# Altium PCB MB1801.PcbDoc (part 1 of 4) (continued)
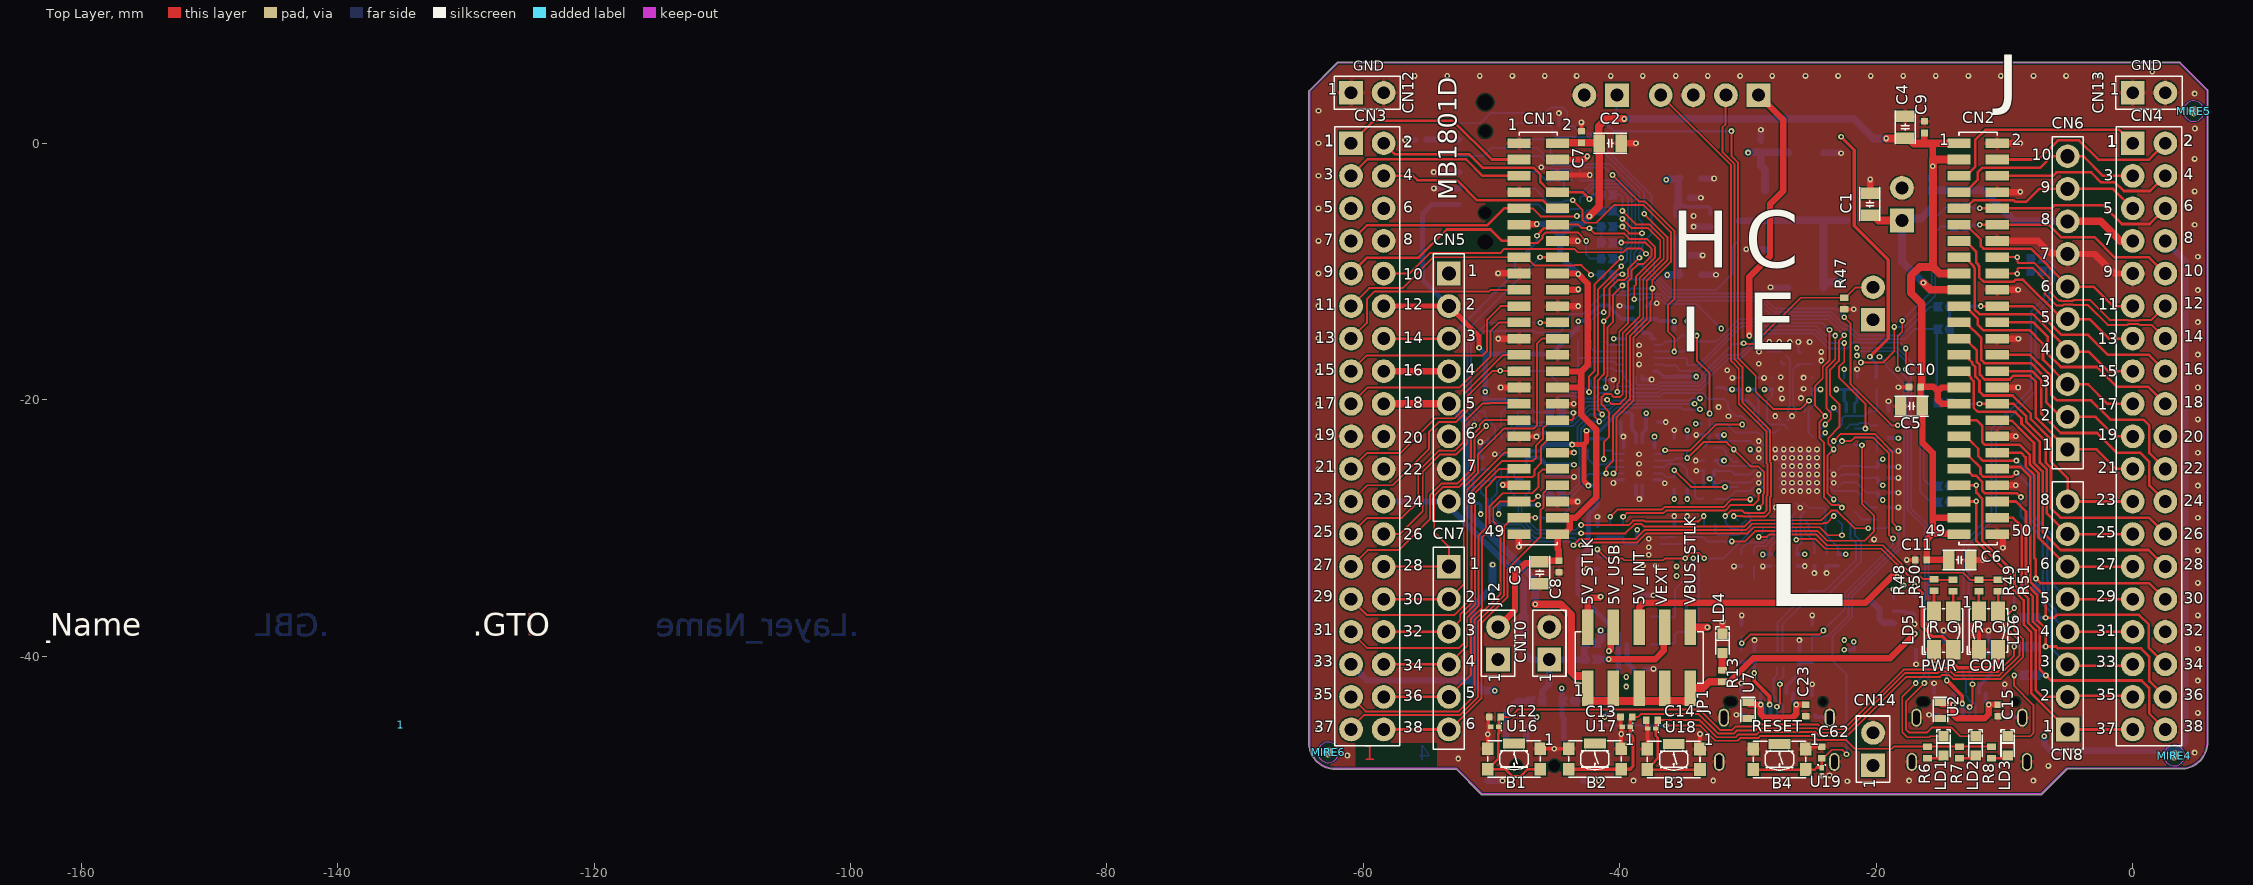
[diagram p0: Top Layer view]
## Classes and differential pairs
component class U_External_Debug_Interface: CN17 LD5 LD6 R48 R49 R50 R51 R54 U13 U14
component class Project_Overview: HW1 HW2
component class U_STlink-V3EC: C23 C24 C25 C26 C27 C28 C29 C30 C31 C32 C33 C34 C35 C36 C37 C38 C39 C40 C41 C42 C43 C44 C45 C46 C47 C48 C49 C50 C51 C52 C53 C54 C55 C56 C57 C58 C59 C60 C61 CN15 CN16 D1 JP3 JP4 R2 R14 R15 R16 R17 R18 R19 R20 R21 R22 R23 R24 R25 R26 R27 R28 R29 R30 R31 R32 R33 R34 R35 R36 R37 R38 R39 R40 R41 R42 R43 R44 R45 R46 R47 R52 R53 R55 R56 R57 R58 R59 R60 R61 R62 R63 R64 R65 R66 R67 TP1 U5 U6 U7 U8 U9 U10 U11 U12 U15 X1
component class "Power Management": C16 C17 C18 C19 C20 C21 C22 CN10 CN12 CN13 JP1 JP2 LD4 R13 SB20 SB21 SB22 SB33 SW1 U3 U4
component class "LEDs & Push Buttons & USB-C Connector": B1 B2 B3 B4 C12 C13 C14 C15 C62 CN9 LD1 LD2 LD3 R6 R7 R8 R11 R12 SB18 SB19 U1 U2 U16 U17 U18 U19
component class "Extension Connectors": C1 C2 C3 C4 C5 C6 C7 C8 C9 C10 C11 CN1 CN2 CN3 CN4 CN5 CN6 CN7 CN8 CN11 CN14 R1 SB1 SB2 SB3 SB4 SB5 SB6 SB7 SB8 SB9 SB10 SB11 SB12 SB13 SB14 SB15 SB16 SB17 SB23 SB24 SB25 SB26 SB27 SB28 SB29 SB30
differential pair USB_FS: +USB_FS_P -USB_FS_N
differential pair STLK_USB: +STLK_USB_P -STLK_USB_N
differential pair USB: +USB_P -USB_N
differential pair USB_C: +USB_C_P -USB_C_N

## Components (designator, comment, footprint, x,y, rotation, side; value= is the part's Value field where it differs from the comment)
1 "Comment" Sheetbox_2L2S -180.167,-50.702 r0 top
B1 "SW-PUSH-CMS_KMR2_BLACK" SWI_C&K_Y78B23110FP__ITT_KMR231GLFS -48.25,-48.022 r0 top value=KMR231GLFS
B2 "SW-PUSH-CMS_KMR2_BLACK" SWI_C&K_Y78B23110FP__ITT_KMR231GLFS -41.95,-48.022 r0 top value=KMR231GLFS
B3 "SW-PUSH-CMS_KMR2_BLACK" SWI_C&K_Y78B23110FP__ITT_KMR231GLFS -35.8,-48.05 r0 top value=KMR231GLFS
B4 "SW-PUSH-CMS_KMR2_BLACK" SWI_C&K_Y78B23110FP__ITT_KMR231GLFS -27.55,-48.05 r0 top value=KMR231GLFS
C1 "Capacitor" C0805_H0P85 -20.5,-4.75 r270 top value=1uF
C2 "Capacitor" C0805_H0P85 -40.75,0 r180 top value=1uF
C3 "Capacitor" C0805_H0P85 -46.25,-33.5 r90 top value=1uF
C4 "Capacitor" C0805_H0P85 -17.75,1.25 r270 top value=1uF
C5 "Capacitor" C0805_H0P85 -17.25,-20.5 r0 top value=1uF
C6 "Capacitor" C0805_H0P85 -13.5,-32.5 r180 top value=1uF
C7 "Capacitor" C0402 -43,0.5 r270 top value=100nF
C8 "Capacitor" C0402 -44.75,-33 r90 top value=100nF
C9 "Capacitor" C0402 -16.25,1.25 r270 top value=100nF
C10 "Capacitor" C0402 -17,-19 r0 top value=100nF
C11 "Capacitor" C0402 -16.5,-32.5 r0 top value=100nF
C12 "Capacitor" C0402 -49.75,-44.75 r0 top value=10nF
C13 "Capacitor" C0402 -39.5,-44.75 r0 top value=10nF
C14 "Capacitor" C0402 -37.5,-45 r0 top value=10nF
C15 "Capacitor" C0402 -10.5,-44.25 r90 top value=100pF
C16 "Cap_POL_TANA" CPOL_TAJ-B_1210_H210 -25.5,-0.75 r0 bottom value=10uF
C17 "Cap_POL_TANA" CPOL_TAJ-B_1210_H210 -25.5,-11.25 r180 bottom value=10uF
C18 "Capacitor" C0402 -29,-0.25 r270 bottom value=100nF
C19 "Capacitor" C0805_H0P85 -34.5,-2.75 r180 bottom value=1uF
C20 "Capacitor" C0402 -35,-4.25 r180 bottom value=100nF
C21 "Capacitor" C0805_H0P85 -34.5,-10.25 r180 bottom value=1uF
C22 "Capacitor" C0402 -35,-8.75 r180 bottom value=100nF
C23 "Capacitor" C0402 -25.5,-44.25 r270 top value=100pF
C24 "Capacitor" C0402 -37.5,-21.75 r180 bottom value=100nF
C25 "Capacitor" C0402 -39.5,-21.75 r180 bottom value=100nF
C26 "Capacitor" C0402 -25,-38 r90 bottom value=10nF
C27 "Capacitor" C0402 -30.5,-38 r90 bottom value=10nF
C28 "Capacitor" C0402 -28.5,-16.75 r90 bottom value=2.7pF
C29 "Capacitor" C0402 -25,-16.75 r90 bottom value=2.7pF
C30 "Capacitor" C0402 -38,-13.25 r270 bottom value=100nF
C31 "Capacitor" C0402 -39,-13.25 r90 bottom value=100nF
C32 "Capacitor" C0402 -41.5,1.5 r0 bottom value=100nF
C33 "Capacitor" C0402 -23.875,-32.5 r90 bottom value=2.2uF
C34 "Capacitor" C0603 -39,-33.75 r180 bottom value=10uF
C35 "Capacitor" C0402 -36.75,-33.75 r0 bottom value=100nF
C36 "Capacitor" C0402 -35.75,-30.25 r270 bottom value=10nF
C37 "Capacitor" C0402 -26.2,-32.5 r270 bottom value=100nF
C38 "Capacitor" C0402 -23,-32.5 r270 bottom value=100nF
C39 "Capacitor" C0402 -27,-32.5 r270 bottom value=100nF
C40 "Capacitor" C0402 -28.25,-32.5 r270 bottom value=100nF
C41 "Capacitor" C0402 -19.5,-27.25 r0 bottom value=100nF
C42 "Capacitor" C0402 -19.5,-26.1 r0 bottom value=100nF
C43 "Capacitor" C0402 -19.5,-25.25 r0 bottom value=100nF
C44 "Capacitor" C0402 -21.5,-18.75 r90 bottom value=100nF
C45 "Capacitor" C0402 -22.5,-18.75 r90 bottom value=100nF
C46 "Capacitor" C0402 -25,-18.75 r90 bottom value=100nF
C47 "Capacitor" C0402 -28.125,-18.75 r90 bottom value=100nF
C48 "Capacitor" C0402 -29.375,-18.75 r90 bottom value=100nF
C49 "Capacitor" C0402 -30.6,-18.75 r90 bottom value=100nF
C50 "Capacitor" C0402 -33,-22.75 r180 bottom value=100nF
C51 "Capacitor" C0402 -33,-24.75 r180 bottom value=100nF
C52 "Capacitor" C0402 -33,-25.55 r180 bottom value=100nF
C53 "Capacitor" C0402 -33,-26.8 r180 bottom value=100nF
C54 "Capacitor" C0805 -17.75,-39.5 r180 bottom value=2.2uF
C55 "Capacitor" C0603 -17,-36 r90 bottom value=10uF
C56 "Capacitor" C0402 -19.5,-28.4 r180 bottom value=2.2uF
C57 "Capacitor" C0402 -30.5,-32.5 r90 bottom value=2.2uF
C58 "Capacitor" C0402 -38.5,-41 r180 bottom value=100nF
C59 "Capacitor" C0603 -39,-35.25 r180 bottom value=10uF
C60 "Capacitor" C0402 -45.75,-25.5 r90 bottom value=100nF
C61 "Capacitor" C0402 -45.75,-23 r90 bottom value=100nF
C62 "Capacitor" C0402 -24.25,-47.5 r90 top value=100nF
CN1 "CLP-125-02-F-D" CON_SAMTEC_CLP-125-02-F-D -46.355,-15.24 r0 top locked value="Socket 25x2"
CN2 "CLP-125-02-F-D" CON_SAMTEC_CLP-125-02-F-D -12.065,-15.24 r0 top locked value="Socket 25x2"
CN3 "Header 19x2" CON_SAMTEC_TSW-119-09-X-D -59.69,-22.86 r270 top locked
CN4 "Header 19x2" CON_SAMTEC_TSW-119-09-X-D 1.27,-22.86 r270 top locked
CN5 "Socket 8x1" CON_SAMTEC_SSW-108-01-X-S -53.34,-19.05 r270 top locked
CN6 "Socket 10x1" CON_SAMTEC_SSW-110-01-X-S -5.08,-12.446 r90 top locked
CN7 "Socket 6x1" CON_SAMTEC_SSW-106-01-X-S -53.34,-39.37 r270 top locked
CN8 "Socket 8x1" CON_SAMTEC_SSW-108-01-X-S -5.08,-36.83 r90 top locked
CN9 "USB_TYPE_C_Receptacle" CON_USB-TYPEC_AMPHENOL_12401826E412A -12.74,-43.55 r180 bottom value=USB_C_12401826E412A
CN10 "Header 2x1" CON_SAMTEC_TSW-102-07-G-S -45.5,-39 r90 top
CN11 "Header 2x1" CON_SAMTEC_TSW-102-07-G-S -18,-4.75 r90 bottom
CN12 "Header 2x1" CON_SAMTEC_TSW-102-07-G-S -59.69,3.937 r0 top
CN13 "Header 2x1" CON_SAMTEC_TSW-102-07-G-S 1.27,3.937 r0 top locked
CN14 "Header 2x1" CON_SAMTEC_TSW-102-07-G-S -20.25,-47.25 r90 top
CN15 "USB_TYPE_C_Receptacle" CON_USB-TYPEC_AMPHENOL_12401826E412A -27.76,-43.55 r180 bottom value=USB_C_12401826E412A
CN16 "Header 4x1" CON_SAMTEC_TSW-104-07-G-S -33,3.75 r180 bottom
CN17 "Header 7x2" CON_STDC14_Receiver_MEDIUM_WITH_MIPI10_3D -50.5,-2.25 r90 bottom value="Header 5x2"
D1 "SCHOTTKY_1A_2K" DIO_SOD523_1A_2K -21,-39.5 r0 bottom value=BAT54KFILM
HW1 "STICKER_PRODUCT" STICKER_PRODUCT_25X5 -11.15,-21.2 r270 bottom value="Sticker product"
HW2 "STICKER_BOARD" STICKER_BOARD_25X5 -13.95,3.65 r180 bottom value="Sticker board"
JP1 "Jumper 5 Positions" CON_SAMTEC_TMM-105-06-T-D-SM -38.5,-40.125 r0 top value=TMM-105-06-T-D-SM
JP2 "Jumper_Header 2x1 Fitted" CON_SAMTEC_TSW-102-07-G-S -49.5,-39 r90 top value="Header 2x1"
JP3 "Jumper_Header 2x1" CON_SAMTEC_TSW-102-07-G-S -41.5,3.75 r180 bottom
JP4 "Jumper_Header 2x1" CON_SAMTEC_TSW-102-07-G-S -20.25,-12.5 r90 bottom
LD1 "LED_blue" LED_0603_VISHAY_VLMB1300-GS08_BLUE_1A2K_H0P8 -14.75,-47 r90 top value=BLUE
LD2 "LED_green" LED_0603_VISHAY_VLMTG1300-GS08_GREEN_1A2K_H0P8 -12.25,-47 r90 top value="TRUE GREEN"
LD3 "LED_red" LED_0603_VISHAY_VLMS1300-GS08_RED_1A2K_H0P8 -9.75,-47 r90 top value=RED
LD4 "LED_green" LED_0603_VISHAY_VLMTG1300-GS08_GREEN_1A2K_H0P8 -32,-39 r90 top value="TRUE GREEN"
LD5 "LED_BICOLOR" LED_BI-GR_WE-150141SV73110 -14.75,-38 r0 top value="Green / Red"
LD6 "LED_BICOLOR" LED_BI-GR_WE-150141SV73110 -11.25,-38 r0 top value="Green / Red"
MIRE1 "Comment" MIRE_PLACE_SMD_0P8MM -62.5,-47.25 r0 bottom
MIRE2 "Comment" MIRE_PLACE_SMD_0P8MM 3.5,2 r0 bottom
MIRE3 "Comment" MIRE_PLACE_SMD_0P8MM -62.25,2 r0 bottom
MIRE4 "Comment" MIRE_PLACE_SMD_0P8MM 3.25,-47.75 r0 top
MIRE5 "Comment" MIRE_PLACE_SMD_0P8MM 4.75,2.5 r0 top
MIRE6 "Comment" MIRE_PLACE_SMD_0P8MM -62.75,-47.5 r0 top
R1 "Resistor" R0402 -30.75,-6.5 r90 bottom value=1K
R2 "Resistor" R0402 -32.5,-19.5 r270 bottom value=100K
R6 "Resistor" R0402 -16,-47.5 r270 top value=680R
R7 "Resistor" R0402 -13.5,-47.5 r270 top value=680R
R8 "Resistor" R0402 -11,-47.5 r270 top value=680R
R11 "Resistor" R0402 -11,-40.25 r270 bottom value=5K1
R12 "Resistor" R0402 -14.5,-40.25 r270 bottom value=5K1
R13 "Resistor" R0402 -32,-41.55 r270 top value=1K5
R14 "Resistor" R0402 -26,-40 r90 bottom value=5K1
R15 "Resistor" R0402 -34.75,-23.5 r90 bottom value=100K
R16 "Resistor" R0402 -34.75,-26.5 r270 bottom value=100K
R17 "Resistor" R0402 -35.75,-26.5 r270 bottom value=100K
R18 "Resistor" R0402 -42.45,-23.5 r90 bottom value=100K
R19 "Resistor" R0402 -41.75,-26.25 r270 bottom value=100K
R20 "Resistor" R0402 -25,-40 r90 bottom value=100K
R21 "Resistor" R0402 -29.55,-32.5 r270 bottom value=0R
R22 "Resistor" R0402 -30.5,-40 r90 bottom value=100K
R23 "Resistor" R0402 -29.5,-40 r90 bottom value=5K1
R24 "Resistor" R0402 -35.75,-15 r270 bottom value=100K
R25 "Resistor" R0402 -34.75,-15 r90 bottom value=100K
R26 "Resistor" R0402 -34.75,-17.75 r270 bottom value=100K
R27 "Resistor" R0402 -35.75,-17.75 r270 bottom value=100K
R28 "Resistor" R0402 -43.25,-15 r90 bottom value=100K
R29 "Resistor" R0402 -19.5,-22 r0 bottom value=0R
R30 "Resistor" R0402 -24.825,-32.5 r270 bottom value=3K
R31 "Resistor" R0402 -19.5,-20.9 r0 bottom value=10K
R32 "Resistor" R0402 -41.25,-15 r90 bottom value=47R
R33 "Resistor" R0402 -20,-18.75 r90 bottom value=10K
R34 "Resistor" R0402 -42.25,-15 r90 bottom value=47R
R35 "Resistor" R0402 -43.25,-18 r270 bottom value=47R
R36 "Resistor" R0402 -19.5,-23 r0 bottom value=5K1
R37 "Resistor" R0402 -42.25,-18 r270 bottom value=47R
R38 "Resistor" R0402 -19.5,-24 r0 bottom value=10K
R39 "Resistor" R0402 -33,-21.875 r180 bottom value=10K
R40 "Resistor" R0402 -40.75,-32.75 r90 bottom value=3K
R41 "Resistor" R0402 -41.25,-18 r90 bottom value=100K
R42 "Resistor" R0402 -41.75,-32.75 r90 bottom value=5K1
R43 "Resistor" R0402 -39.75,-30.25 r90 bottom value=1K8
R44 "Resistor" R0402 -40.75,-30.25 r90 bottom value=1K3
R45 "Resistor" R0402 -41.75,-30.25 r90 bottom value=3K9
R46 "Resistor" R0402 -34.75,-30.25 r270 bottom value=100K
R47 "Resistor" R0402 -22.5,-12.5 r90 top value=100K
R48 "Resistor" R0402 -15.5,-34.45 r90 top value=1K
R49 "Resistor" R0402 -12,-34.5 r90 top value=1K
R50 "Resistor" R0402 -14,-34.5 r90 top value=330R
R51 "Resistor" R0402 -10.5,-34.5 r270 top value=330R
R52 "Resistor" R0402 -35.25,-37 r180 bottom value=100K
R53 "Resistor" R0402 -35.25,-39 r180 bottom value=100K
R54 "Resistor" R0402 -55.5,0.25 r0 bottom value=100R
R55 "Resistor" R0402 -33,-27.75 r180 bottom value=0R
R56 "Resistor" R0402 -33,-23.75 r180 bottom value=33R
R57 "Resistor" R0402 -19.5,-29.35 r0 bottom value=0R
R58 "Resistor" R0402 -33,-29.75 r180 bottom value=33R
R59 "Resistor" R0402 -35.75,-23.5 r270 bottom value=100K
R60 "Resistor" R0402 -41.25,-23.5 r90 bottom value=100K
R61 "Resistor" R0402 -47.1,-27.75 r270 bottom value=100K
R62 "Resistor" R0402 -48.475,-27.75 r270 bottom value=100K
R63 "Resistor" R0402 -49.45,-27.75 r270 bottom value=100K
R64 "Resistor" R0402 -50.825,-27.75 r270 bottom value=100K
R65 "Resistor" R0402 -48,-20.5 r90 bottom value=100K
R66 "Resistor" R0402 -49.25,-20.5 r90 bottom value=100K
R67 "Resistor" R0402 -50.5,-20.5 r90 bottom value=100K
SB1 "SB_ON" SOLDER-BRIDGE_R0402-0R -15.6,-3.25 r270 bottom
SB2 "SB_ON" SOLDER-BRIDGE_R0402-0R -8,-39.25 r180 bottom
SB3 "SB_ON" SOLDER-BRIDGE_R0402-0R -45,-29.25 r0 bottom
SB4 "SB_ON" SOLDER-BRIDGE_R0402-0R -8,-34.75 r180 bottom
SB5 "SB_ON" SOLDER-BRIDGE_R0402-0R -45,-27.5 r0 bottom
SB6 "SB_ON" SOLDER-BRIDGE_R0402-0R -8,-37 r180 bottom
SB7 "SB_ON" SOLDER-BRIDGE_R0402-0R -14.75,-28 r180 bottom
SB8 "SB_ON" SOLDER-BRIDGE_R0402-0R -14.75,-26.75 r180 bottom
SB9 "SB_ON" SOLDER-BRIDGE_R0402-0R -13.5,-5 r180 bottom
SB10 "SB_ON" SOLDER-BRIDGE_R0402-0R -47.75,-17.75 r0 bottom
SB11 "SB_ON" SOLDER-BRIDGE_R0402-0R -8,-41.5 r180 bottom
SB12 "SB_ON" SOLDER-BRIDGE_R0402-0R -13.5,-6.5 r180 bottom
SB13 "SB_ON" SOLDER-BRIDGE_R0402-0R -14.75,-12.75 r180 bottom
SB14 "SB_ON" SOLDER-BRIDGE_R0402-0R -7.5,-10 r0 bottom
SB15 "SB_ON" SOLDER-BRIDGE_R0402-0R -41,-10.25 r0 bottom
SB16 "SB_ON" SOLDER-BRIDGE_R0402-0R -7.5,-9 r0 bottom
SB17 "SB_ON" SOLDER-BRIDGE_R0402-0R -41,-9 r0 bottom
SB18 "SB_ON" SOLDER-BRIDGE_R0402-0R -41.25,-43.5 r0 bottom
SB19 "SB_ON" SOLDER-BRIDGE_R0402-0R -44,-43.5 r180 bottom
SB20 "SB_ON" SOLDER-BRIDGE_R0402-0R -47.5,-37.5 r90 bottom
SB21 "SB_ON" SOLDER-BRIDGE_R0402-0R -42.25,-40.25 r0 bottom
SB22 "SB_ON" SOLDER-BRIDGE_R0402-0R -46.5,-43.5 r180 bottom
SB23 "SB_ON" SOLDER-BRIDGE_R0402-0R -41,-4 r0 bottom
SB24 "SB_ON" SOLDER-BRIDGE_R0402-0R -14.75,-14.5 r180 bottom
SB25 "SB_ON" SOLDER-BRIDGE_R0402-0R -14.75,-20.25 r180 bottom
SB26 "SB_ON" SOLDER-BRIDGE_R0402-0R -45,-21 r180 bottom
SB27 "SB_ON" SOLDER-BRIDGE_R0402-0R -45,-14 r0 bottom
SB28 "SB_ON" SOLDER-BRIDGE_R0402-0R -41,-5.25 r0 bottom
SB29 "SB_ON" SOLDER-BRIDGE_R0402-0R -41,-7.75 r0 bottom
SB30 "SB_ON" SOLDER-BRIDGE_R0402-0R -41,-6.5 r0 bottom
SB33 "SB_ON" SOLDER-BRIDGE_R0402-0R -42.25,-39 r180 bottom
SW1 "SW_MECA" SWI_SPDT-RA_TE-CONNECTIVITY_MLL1200S_1P2T -46.6,-48.559 r180 bottom locked value=Switch-Slider_3x1_PCM12SMTR
TP1 "Test Point" TP_SMD_1MM -29.55,-34 r180 bottom
U1 "ECMF02-2AMX6" ESD_QFN-6L_1P7X1P5_P050 -12.75,-40.25 r0 bottom
U2 "ESD-TRANSIL" ESD_QFN1610_2N_1K_2A -15,-44.25 r270 top value=ESDA25P35-1U1M
U3 "LD1117S50TR" REG_SOT223-TAB -25.5,-6 r90 bottom
U4 "LD39050PU33R" ICC_DFN6-EPAD_3X3_P095 -34.25,-6.5 r270 bottom
U5 "STLINK-V3EC_Old" ICC_UFBGA201_176+25_10X10_P065 -26.25,-25.5 r270 bottom value=STM32F723IEK6
U6 "74AVC4TD245BQ" ICC_DHVQFN16-EPAD_SOT763-1_2P5X3P5_H0P85_P050 -38.5,-25 r180 bottom
U7 "ESD-TRANSIL" ESD_QFN1610_2N_1K_2A -30,-44.25 r270 top value=ESDA25P35-1U1M
U8 "ECMF02-2AMX6" ESD_QFN-6L_1P7X1P5_P050 -27.75,-40.25 r180 bottom
U9 "74AVC4TD245BQ" ICC_DHVQFN16-EPAD_SOT763-1_2P5X3P5_H0P85_P050 -38.5,-16.5 r180 bottom
U10 "TPS259535DSG" ICC_WSON8-EPAD_2X2_P050 -37.75,-31.5 r180 bottom
U11 "ST730M33R" ICC_SOT23-5L_H1P45 -19.75,-36.5 r270 bottom
U12 "STMPS2151STR" MOS_SOT23-5L -38.5,-38 r0 bottom
U13 "ESDALC6V1W5" ESD_SOT323-5L -43.75,-3.75 r0 bottom
U14 "ESDALC6V1W5" ESD_SOT323-5L -44.75,0.5 r0 bottom
U15 "74AVC4TD245BQ" ICC_DHVQFN16-EPAD_SOT763-1_2P5X3P5_H0P85_P050 -49,-24.25 r90 bottom
U16 "ESD-TRANSIL" ESD_ST0201 -49.75,-45.5 r180 top value=ESDALC6V1-1U2
U17 "ESD-TRANSIL" ESD_ST0201 -39.5,-45.5 r180 top value=ESDALC6V1-1U2
U18 "ESD-TRANSIL" ESD_ST0201 -37.5,-45.65 r180 top value=ESDALC6V1-1U2
U19 "ESD-TRANSIL" ESD_ST0201 -24.25,-49 r270 top value=ESDALC6V1-1U2
X1 "XTAL_4_PINS" CRY_NX2016SA_4P -26.75,-16.75 r0 bottom value=24MHz
? "Comment" PCB_SPECIFICATIONS -181.208,75.148 r0 top

## Footprints (in the part's own frame and the unit in brackets; to place one, negate y for a bottom-side part, rotate by r counter-clockwise, add the part's x,y. Pads: shape width x height; smd on the part's side, far side on the other; paste and mask are expansions set on the pad)
C0402 [mm]
  rect 0.51x0.56 smd mask+0.05: 1(-0.45,0) 2(0.45,0)
  body extent -0.5,-0.3 0.5,0.3, height 0.4
C0603 [mm]
  rect 0.64x0.89 smd mask+0.05: 1(-0.7,0) 2(0.7,0)
  silkscreen extent -0.9,-0.55 1.05,0.55, body extent -0.9,-0.5 0.9,0.5, height 1.4
C0805 [mm]
  rect 0.9x1.4 smd mask+0.05: 1(-0.85,0) 2(0.85,0)
  silkscreen extent -1.3,-0.77 1.3,0.77, body extent -1.1,-0.7 1.1,0.7, height 1.35
C0805_H0P85 [mm] "MCD-01525"
  rect 0.9x1.4 smd mask+0.05: 1(-0.85,0) 2(0.85,0)
  silkscreen extent -1.3,-0.77 1.3,0.77, body extent -1.1,-0.73 1.1,0.72, height 0.95
CON_SAMTEC_CLP-125-02-F-D [mm] "MCD-02705"
  rect 1.8x0.75 smd: 1(-1.5,15.24) 2(1.5,15.24) 3(-1.5,13.97) 4(1.5,13.97) 5(-1.5,12.7) 6(1.5,12.7) 7(-1.5,11.43) 8(1.5,11.43) 9(-1.5,10.16) 10(1.5,10.16) 11(-1.5,8.89) 12(1.5,8.89) 13(-1.5,7.62) 14(1.5,7.62) 15(-1.5,6.35) 16(1.5,6.35) 17(-1.5,5.08) 18(1.5,5.08) 19(-1.5,3.81) 20(1.5,3.81) 21(-1.5,2.54) 22(1.5,2.54) 23(-1.5,1.27) 24(1.5,1.27) 25(-1.5,0) 26(1.5,0) 27(-1.5,-1.27) 28(1.5,-1.27) 29(-1.5,-2.54) 30(1.5,-2.54) 31(-1.5,-3.81) 32(1.5,-3.81) 33(-1.5,-5.08) 34(1.5,-5.08) 35(-1.5,-6.35) 36(1.5,-6.35) 37(-1.5,-7.62) 38(1.5,-7.62) 39(-1.5,-8.89) 40(1.5,-8.89) 41(-1.5,-10.16) 42(1.5,-10.16) 43(-1.5,-11.43) 44(1.5,-11.43) 45(-1.5,-12.7) 46(1.5,-12.7) 47(-1.5,-13.97) 48(1.5,-13.97) 49(-1.5,-15.24) 50(1.5,-15.24)
  silkscreen extent -1.48,-16.09 1.49,16.09, body extent -2.16,-16.09 2.16,16.09, height 2.27
CON_SAMTEC_SSW-106-01-X-S [mm] "MCD-02079"
  rect 1.85x1.85 / inner round 1.85 / far side rect 1.85x1.85 hole 1.1 mask+0.05: 1(-6.35,0)
  round 1.85 hole 1.1 mask+0.05: 2(-3.81,0) 3(-1.27,0) 4(1.27,0) 5(3.81,0) 6(6.35,0)
  silkscreen extent -7.88,-1.2 7.88,1.2, body extent -7.88,-1.21 7.88,1.21, height 8.51
CON_SAMTEC_SSW-108-01-X-S [mm] "MCD-01743"
  rect 1.85x1.85 / inner round 1.85 / far side rect 1.85x1.85 hole 1.1 mask+0.05: 1(-8.89,0)
  round 1.85 hole 1.1 mask+0.05: 2(-6.35,0) 3(-3.81,0) 4(-1.27,0) 5(1.27,0) 6(3.81,0) 7(6.35,0) 8(8.89,0)
  silkscreen extent -10.42,-1.2 10.42,1.2, body extent -10.42,-1.21 10.42,1.21, height 8.51
CON_SAMTEC_SSW-110-01-X-S [mm] "MCD-02080"
  rect 1.85x1.85 / inner round 1.85 / far side rect 1.85x1.85 hole 1.1 mask+0.05: 1(-11.43,0)
  round 1.85 hole 1.1 mask+0.05: 2(-8.89,0) 3(-6.35,0) 4(-3.81,0) 5(-1.27,0) 6(1.27,0) 7(3.81,0) 8(6.35,0) 9(8.89,0) 10(11.43,0)
  silkscreen extent -12.96,-1.2 12.96,1.2, body extent -12.96,-1.21 12.96,1.21, height 8.51
CON_SAMTEC_TMM-105-06-T-D-SM [mm]
  rect 0.89x2.75 smd mask+0.05: 1(-4,-2.375) 2(-4,2.375) 3(-2,-2.375) 4(-2,2.375) 5(0,-2.375) 6(0,2.375) 7(2,-2.375) 8(2,2.375) 9(4,-2.375) 10(4,2.375)
  silkscreen extent -4.99,-2 5,2.02, body extent -5,-3.53 5,3.53, height 7.3
CON_SAMTEC_TSW-102-07-G-S [mm]
  rect 1.85x1.85 / inner round 1.85 / far side rect 1.85x1.85 hole 1 mask+0.05: 1(-1.27,0)
  round 1.85 hole 1 mask+0.05: 2(1.27,0)
  silkscreen extent -2.58,-1.3 2.58,1.3, body extent -2.67,-1.3 2.58,1.3, height 8.38
CON_SAMTEC_TSW-104-07-G-S [mm]
  rect 1.85x1.85 / inner round 1.85 / far side rect 1.85x1.85 hole 1 mask+0.05: 1(-3.81,0)
  round 1.85 hole 1 mask+0.05: 2(-1.27,0) 3(1.27,0) 4(3.81,0)
  silkscreen extent -5.12,-1.3 5.12,1.3, body extent -5.21,-1.37 5.18,1.37, height 8.38
CON_SAMTEC_TSW-119-09-X-D [mm]
  rect 1.85x1.85 / inner round 1.85 / far side rect 1.85x1.85 hole 1 mask+0.05: 1(-22.86,-1.27)
  round 1.85 hole 1 mask+0.05: 2(-22.86,1.27) 3(-20.32,-1.27) 4(-20.32,1.27) 5(-17.78,-1.27) 6(-17.78,1.27) 7(-15.24,-1.27) 8(-15.24,1.27) 9(-12.7,-1.27) 10(-12.7,1.27) 11(-10.16,-1.27) 12(-10.16,1.27) 13(-7.62,-1.27) 14(-7.62,1.27) 15(-5.08,-1.27) 16(-5.08,1.27) 17(-2.54,-1.27) 18(-2.54,1.27) 19(0,-1.27) 20(0,1.27) 21(2.54,-1.27) 22(2.54,1.27) 23(5.08,-1.27) 24(5.08,1.27) 25(7.62,-1.27) 26(7.62,1.27) 27(10.16,-1.27) 28(10.16,1.27) 29(12.7,-1.27) 30(12.7,1.27) 31(15.24,-1.27) 32(15.24,1.27) 33(17.78,-1.27) 34(17.78,1.27) 35(20.32,-1.27) 36(20.32,1.27) 37(22.86,-1.27) 38(22.86,1.27)
  silkscreen extent -24.13,-2.54 24.13,2.54, body extent -24.13,-2.55 24.13,2.54, height 8.38
CON_STDC14_Receiver_MEDIUM_WITH_MIPI10_3D [mm] "compatible with FTSH-105-01-L-DV,-K and FTSH-107-01-L-DV,-K,-A,-P,-ES"
  round 0 hole 1.19 unplated mask+0.05: 0(-5.445,0) 0(5.445,0)
  round 0 hole 0.97 unplated mask+0.05: 0(-3.175,0) 0(3.175,0)
  rect 0.74x2.79 smd mask+0.05: 1(-3.81,-2.032) 2(-3.81,2.032) 3(-2.54,-2.032) 4(-2.54,2.032) 5(-1.27,-2.032) 6(-1.27,2.032) 7(0,-2.032) 8(0,2.032) 9(1.27,-2.032) 10(1.27,2.032) 11(2.54,-2.032) 12(2.54,2.032) 13(3.81,-2.032) 14(3.81,2.032)
  silkscreen extent -6.3,-4.38 6.3,3.6, body extent -6.3,-2.92 6.3,2.92, height 6.6
CON_USB-TYPEC_AMPHENOL_12401826E412A [mm] "MCD-03232"
  round 0 hole 0.65 unplated mask+0.05: 0(-3.6,0)
  round 0 hole 0.65 slot 0.95 at 0 deg unplated mask+0.05: 0(3.6,0)
  rect 0.3x0.7 smd mask+0.05: A1(-2.75,0.66) A2(-2.25,0.66) A3(-1.75,0.66) A4(-1.25,0.66) A5(-0.75,0.66) A6(-0.25,0.66) A7(0.25,0.66) A8(0.75,0.66) A9(1.25,0.66) A10(1.75,0.66) A11(2.25,0.66) A12(2.75,0.66) B1(2.5,-1.04) B2(2,-1.04) B3(1.5,-1.04) B4(1,-1.04) B5(0.5,-1.04) B6(0,-1.04) B7(-0.5,-1.04) B8(-1,-1.04) B9(-1.5,-1.04) B10(-2,-1.04) B11(-2.5,-1.04) B12(-3,-1.04)
  oval 0.8x1.4 hole 0.5 slot 1.1 at 90 deg mask+0.05: SH1(-4.13,-1.25) SH2(4.13,-1.25) SH3(-4.49,-4.7) SH4(4.49,-4.7)
  Top Layer keep-out region: -3.75,-1.95 3.75,-1.95 3.75,-7.24 -3.75,-7.24
  silkscreen extent -4.7,-9.59 4.7,0.91, body extent -4.6,-9.59 4.6,0.91, height 3.25
CPOL_TAJ-B_1210_H210 [mm]
  rect 1.35x2.8 smd mask+0.05: 1(-1.375,0) 2(1.375,0)
  silkscreen extent -2.33,-1.68 1.85,1.68, body extent -1.85,-1.5 1.85,1.5, height 2.11
CRY_NX2016SA_4P [mm]
  rect 0.85x0.75 smd mask+0.05: 1(-0.675,-0.525) 2(0.675,-0.525) 3(0.675,0.525) 4(-0.675,0.525)
  silkscreen extent -1.22,-1.02 1.05,0.85, body extent -1.05,-0.85 1.05,0.85, height 0.7
DIO_SOD523_1A_2K [mm] "MCD-01677"
  rect 0.65x0.3 smd mask+0.05: 1(-0.675,0) 2(0.675,0)
  silkscreen extent -0.65,-0.45 1.05,0.55, body extent -0.85,-0.45 0.85,0.45, height 0.71
ESD_QFN1610_2N_1K_2A [mm] "DFN, 2-Leads, Body 1.60x1.00mm"
  rect 0.55x0.9 smd mask+0.05: 1(-0.625,0) 2(0.625,0)
  silkscreen extent -1.02,-0.58 0.85,0.58, body extent -0.85,-0.55 0.85,0.55, height 0.6
ESD_QFN-6L_1P7X1P5_P050 [mm]
  rect 0.25x0.6 smd mask+0.05: 1(-0.5,-0.65) 2(0,-0.65) 3(0.5,-0.65) 4(0.5,0.65) 5(0,0.65) 6(-0.5,0.65)
  silkscreen extent -0.9,-0.8 0.9,0.8, body extent -0.9,-0.8 0.9,0.8, height 0.56
ESD_SOT323-5L [mm]
  rect 0.4x1.2 smd mask+0.05: 1(-0.65,-0.85) 2(0,-0.85) 3(0.65,-0.85) 4(0.65,0.85) 5(-0.65,0.85)
  silkscreen extent -1.22,-1.21 1.22,0.77, body extent -1.15,-1.05 1.15,1.05, height 1.1
ESD_ST0201 [mm]
  rect 0.425x0.33 smd mask+0.05: 1(-0.312,0) 2(0.312,0)
  silkscreen extent -0.55,-0.3 -0.5,0.3, body extent -0.34,-0.18 0.34,0.18, height 0.34
ICC_DFN6-EPAD_3X3_P095 [mm]
  rect 0.45x0.5 smd mask+0.05: 1(-0.95,-1.3) 2(0,-1.3) 3(0.95,-1.3) 4(0.95,1.3) 5(0,1.3) 6(-0.95,1.3)
  rect 2.5x1.7 smd mask+0.05: EP(0,0)
  silkscreen extent -1.55,-1.55 1.55,1.55, body extent -1.55,-1.55 1.55,1.55, height 1
ICC_DHVQFN16-EPAD_SOT763-1_2P5X3P5_H0P85_P050 [mm] "MCD-01945"
  rect 0.3x0.8 smd mask+0.05: 1(-0.25,1.7) 8(-0.25,-1.7) 9(0.25,-1.7) 16(0.25,1.7)
  rect 0.8x0.3 smd mask+0.05: 2(-1.2,1.25) 3(-1.2,0.75) 4(-1.2,0.25) 5(-1.2,-0.25) 6(-1.2,-0.75) 7(-1.2,-1.25) 10(1.2,-1.25) 11(1.2,-0.75) 12(1.2,-0.25) 13(1.2,0.25) 14(1.2,0.75) 15(1.2,1.25)
  rect 1.2x2.2 smd mask+0.05: 17(0,0)
  silkscreen extent -1.3,-1.8 1.3,1.8, body extent -1.31,-1.81 1.31,1.81, height 1.01
ICC_SOT23-5L_H1P45 [mm]
  rect 0.6x1.3 smd mask+0.05: 1(-0.95,-1.1) 2(0,-1.1) 3(0.95,-1.1) 4(0.95,1.1) 5(-0.95,1.1)
  silkscreen extent -1.75,-1.68 1.6,0.97, body extent -1.52,-1.25 1.52,1.25, height 1.45
ICC_UFBGA201_176+25_10X10_P065 [mm] "IPC"
  round 0.25 smd mask+0.038: A1(-4.55,4.55) A2(-3.9,4.55) A3(-3.25,4.55) A4(-2.6,4.55) A5(-1.95,4.55) A6(-1.3,4.55) A7(-0.65,4.55) A8(0,4.55) A9(0.65,4.55) A10(1.3,4.55) A11(1.95,4.55) A12(2.6,4.55) A13(3.25,4.55) A14(3.9,4.55) A15(4.55,4.55) B1(-4.55,3.9) B2(-3.9,3.9) B3(-3.25,3.9) B4(-2.6,3.9) B5(-1.95,3.9) B6(-1.3,3.9) B7(-0.65,3.9) B8(0,3.9) B9(0.65,3.9) B10(1.3,3.9) B11(1.95,3.9) B12(2.6,3.9) B13(3.25,3.9) B14(3.9,3.9) B15(4.55,3.9) C1(-4.55,3.25) C2(-3.9,3.25) C3(-3.25,3.25) C4(-2.6,3.25) C5(-1.95,3.25) C6(-1.3,3.25) C7(-0.65,3.25) C8(0,3.25) C9(0.65,3.25) C10(1.3,3.25) C11(1.95,3.25) C12(2.6,3.25) C13(3.25,3.25) C14(3.9,3.25) C15(4.55,3.25) D1(-4.55,2.6) D2(-3.9,2.6) D3(-3.25,2.6) D4(-2.6,2.6) D5(-1.95,2.6) D6(-1.3,2.6) D7(-0.65,2.6) D8(0,2.6) D9(0.65,2.6) D10(1.3,2.6) D11(1.95,2.6) D12(2.6,2.6) D13(3.25,2.6) D14(3.9,2.6) D15(4.55,2.6) E1(-4.55,1.95) E2(-3.9,1.95) E3(-3.25,1.95) E4(-2.6,1.95) E12(2.6,1.95) E13(3.25,1.95) E14(3.9,1.95) E15(4.55,1.95) F1(-4.55,1.3) F2(-3.9,1.3) F3(-3.25,1.3) F4(-2.6,1.3) F6(-1.3,1.3) F7(-0.65,1.3) F8(0,1.3) F9(0.65,1.3) F10(1.3,1.3) F12(2.6,1.3) F13(3.25,1.3) F14(3.9,1.3) F15(4.55,1.3) G1(-4.55,0.65) G2(-3.9,0.65) G3(-3.25,0.65) G4(-2.6,0.65) G6(-1.3,0.65) G7(-0.65,0.65) G8(0,0.65) G9(0.65,0.65) G10(1.3,0.65) G12(2.6,0.65) G13(3.25,0.65) G14(3.9,0.65) G15(4.55,0.65) H1(-4.55,0) H2(-3.9,0) H3(-3.25,0) H4(-2.6,0) H6(-1.3,0) H7(-0.65,0) H8(0,0) H9(0.65,0) H10(1.3,0) H12(2.6,0) H13(3.25,0) H14(3.9,0) H15(4.55,0) J1(-4.55,-0.65) J2(-3.9,-0.65) J3(-3.25,-0.65) J4(-2.6,-0.65) J6(-1.3,-0.65) J7(-0.65,-0.65) J8(0,-0.65) J9(0.65,-0.65) J10(1.3,-0.65) J12(2.6,-0.65) J13(3.25,-0.65) J14(3.9,-0.65) J15(4.55,-0.65) K1(-4.55,-1.3) K2(-3.9,-1.3) K3(-3.25,-1.3) K4(-2.6,-1.3) K6(-1.3,-1.3) K7(-0.65,-1.3) K8(0,-1.3) K9(0.65,-1.3) K10(1.3,-1.3) K12(2.6,-1.3) K13(3.25,-1.3) K14(3.9,-1.3) K15(4.55,-1.3) L1(-4.55,-1.95) L2(-3.9,-1.95) L3(-3.25,-1.95) L4(-2.6,-1.95) L12(2.6,-1.95) L13(3.25,-1.95) L14(3.9,-1.95) L15(4.55,-1.95) M1(-4.55,-2.6) M2(-3.9,-2.6) M3(-3.25,-2.6) M4(-2.6,-2.6) M5(-1.95,-2.6) M6(-1.3,-2.6) M7(-0.65,-2.6) M8(0,-2.6) M9(0.65,-2.6) M10(1.3,-2.6) M11(1.95,-2.6) M12(2.6,-2.6) M13(3.25,-2.6) M14(3.9,-2.6) M15(4.55,-2.6) N1(-4.55,-3.25) N2(-3.9,-3.25) N3(-3.25,-3.25) N4(-2.6,-3.25) N5(-1.95,-3.25) N6(-1.3,-3.25) N7(-0.65,-3.25) N8(0,-3.25) N9(0.65,-3.25) N10(1.3,-3.25) N11(1.95,-3.25) N12(2.6,-3.25) N13(3.25,-3.25) N14(3.9,-3.25) N15(4.55,-3.25) P1(-4.55,-3.9) P2(-3.9,-3.9) P3(-3.25,-3.9) P4(-2.6,-3.9) P5(-1.95,-3.9) P6(-1.3,-3.9) P7(-0.65,-3.9) P8(0,-3.9) P9(0.65,-3.9) P10(1.3,-3.9) P11(1.95,-3.9) P12(2.6,-3.9) P13(3.25,-3.9) P14(3.9,-3.9) P15(4.55,-3.9) R1(-4.55,-4.55) R2(-3.9,-4.55) R3(-3.25,-4.55) R4(-2.6,-4.55) R5(-1.95,-4.55) R6(-1.3,-4.55) R7(-0.65,-4.55) R8(0,-4.55) R9(0.65,-4.55) R10(1.3,-4.55) R11(1.95,-4.55) R12(2.6,-4.55) R13(3.25,-4.55) R14(3.9,-4.55) R15(4.55,-4.55)
  silkscreen extent -5.22,-5.07 5.07,5.23, body extent -5.07,-5.07 5.07,5.07, height 0.61
ICC_WSON8-EPAD_2X2_P050 [mm] "MCD-02194"
  rect 0.5x0.3 smd paste+0 mask+0.05: 1(-0.9,0.75) 2(-0.9,0.25) 3(-0.9,-0.25) 4(-0.9,-0.75) 5(0.9,-0.75) 6(0.9,-0.25) 7(0.9,0.25) 8(0.9,0.75)
  rect 0.9x1.6 smd paste+0 mask+0.05: 9(0,0)
  silkscreen extent -0.5,-1 0.5,1, body extent -1,-1 1,1, height 0.81
LED_0603_VISHAY_VLMB1300-GS08_BLUE_1A2K_H0P8 [mm]
  rect 0.8x0.8 smd mask+0.05: 1(-0.75,0) 2(0.75,0)
  silkscreen extent -0.85,-0.53 1.28,0.53, body extent -0.85,-0.45 0.85,0.45, height 0.8
LED_0603_VISHAY_VLMS1300-GS08_RED_1A2K_H0P8 [mm]
  rect 0.8x0.8 smd mask+0.05: 1(-0.75,0) 2(0.75,0)
  silkscreen extent -0.85,-0.53 1.28,0.53, body extent -0.85,-0.45 0.85,0.45, height 0.8
LED_0603_VISHAY_VLMTG1300-GS08_GREEN_1A2K_H0P8 [mm]
  rect 0.8x0.8 smd mask+0.05: 1(-0.75,0) 2(0.75,0)
  silkscreen extent -0.85,-0.53 1.28,0.53, body extent -0.85,-0.45 0.85,0.45, height 0.8
LED_BI-GR_WE-150141SV73110 [mm] "MCD-02631"
  rect 1.1x1.5 smd mask+0.05: 1(-0.75,1.5) 2(0.75,1.5) 3(-0.75,-1.5) 4(0.75,-1.5)
  silkscreen extent -1.65,-1.85 1.5,1.7, body extent -1.5,-1.85 1.5,1.85, height 2.1
MIRE_PLACE_SMD_0P8MM [mm]
  round 0.8 smd paste-10 mask+0.2: 1(0,0)
  Top Layer keep-out circle w0.01: c0,0 r0.804
MOS_SOT23-5L [mm]
  rect 0.6x1.3 smd mask+0.05: 1(-0.95,-1.1) 2(0,-1.1) 3(0.95,-1.1) 4(0.95,1.1) 5(-0.95,1.1)
  silkscreen extent -1.6,-0.95 1.6,0.97, body extent -1.52,-1.25 1.52,1.25, height 1.45
PCB_SPECIFICATIONS [mm]
R0402 [mm]
  rect 0.51x0.7 smd mask+0.05: 1(-0.45,0) 2(0.45,0)
  body extent -0.52,-0.3 0.52,0.3, height 0.4
REG_SOT223-TAB [mm]
  rect 1.5x1.65 smd mask+0.05: 1(-2.3,-3.175) 2(0,-3.175) 3(2.3,-3.175)
  rect 3.5x1.65 smd mask+0.05: 4(0,3.175)
  silkscreen extent -3.35,-2.15 3.35,2.12, body extent -3.35,-3.48 3.35,3.48, height 1.8
Sheetbox_2L2S [mil] "Sheetbox 2 layers / 2 silkscreens"
  round 20 on Mech16: 1(813.78,210.69) 1(2736.9,210.69)
SOLDER-BRIDGE_R0402-0R [mil] "MCD-01619"
  round 10 smd paste-393.7: 1(-17.72,0) 2(20.67,0)
  Top Layer region: 1.48,13.78 8.37,0 1.48,-13.78 30.51,-13.78 30.51,13.78
  Top Layer region: -30.51,-13.78 -30.51,13.78 -8.86,13.78 -2.95,0 -8.86,-13.78
  silkscreen extent -33,-17 33,17, body extent -20,-12 20,12, height 14
STICKER_BOARD_25X5 [mm] "Sticker to mention board reference + serial number"
  silkscreen extent -12.5,-2.5 12.5,2.5, body extent -12.5,-2.5 12.5,2.5, height 0.01
STICKER_PRODUCT_25X5 [mm] "Sticker to mention board CPN code"
  silkscreen extent -12.5,-2.5 12.5,2.5
SWI_C&K_Y78B23110FP__ITT_KMR231GLFS [mm] "MCD-00715"
  rect 0.9x1 smd mask+0.05: 1(2.05,0.8) 2(2.05,-0.8) 3(-2.05,0.8) 4(-2.05,-0.8)
  rect 1.7x0.8 smd mask+0.05: 5(0,1.2)
  silkscreen extent -2.05,-1.43 2.05,1.43, body extent -2.3,-1.5 2.3,1.5, height 2.1
SWI_SPDT-RA_TE-CONNECTIVITY_MLL1200S_1P2T [mm] "MCD-02081"
  rect 1x0.8 smd mask+0.05: 0(-3.75,-1.15) 0(-3.75,1.15) 0(3.75,-1.15) 0(3.75,1.15)
  rect 0.7x1.1 smd mask+0.05: 1(-2.25,2.05) 2(0.75,2.05) 3(2.25,2.05)
  round 0 hole 0.9 unplated mask+0.05: NPTH1(-1.5,0) NPTH2(1.5,0)
  silkscreen extent -3.5,-2.9 3.5,1.4, body extent -3.85,-2.9 3.85,2.24, height 1.75
TP_SMD_1MM [mm]
  round 1 smd paste-10 mask+0.05: 1(0,0)
  silkscreen extent -0.7,-0.7 0.7,0.7